# Altium PCB TimeDrive.PcbDoc (part 1 of 4)
Units mil, origin at the board's own origin, x right, y up, seen from the top; angles counter-clockwise.
Board outline 866.1 x 4330 mil, 8 copper layers (L01_SIG, L02_PWR, L03_GND, L04_SIG, L05_SIG, L06_GND, L07_PWR, L08_SIG), stack 31.68 mil thick; 313 components, 297 nets, 1051 pads, 637 vias.
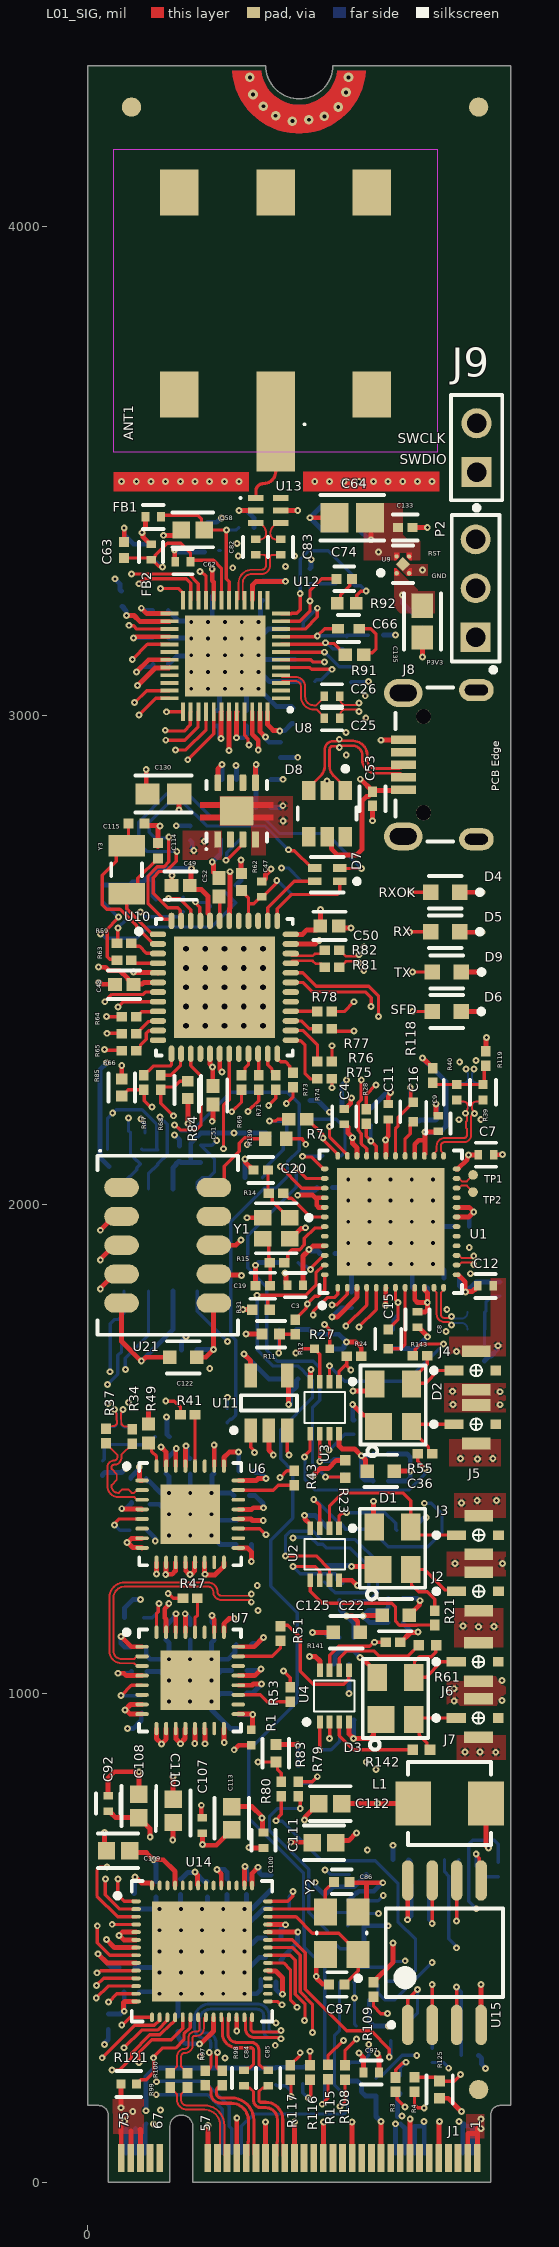
[diagram p0: L01_SIG view]
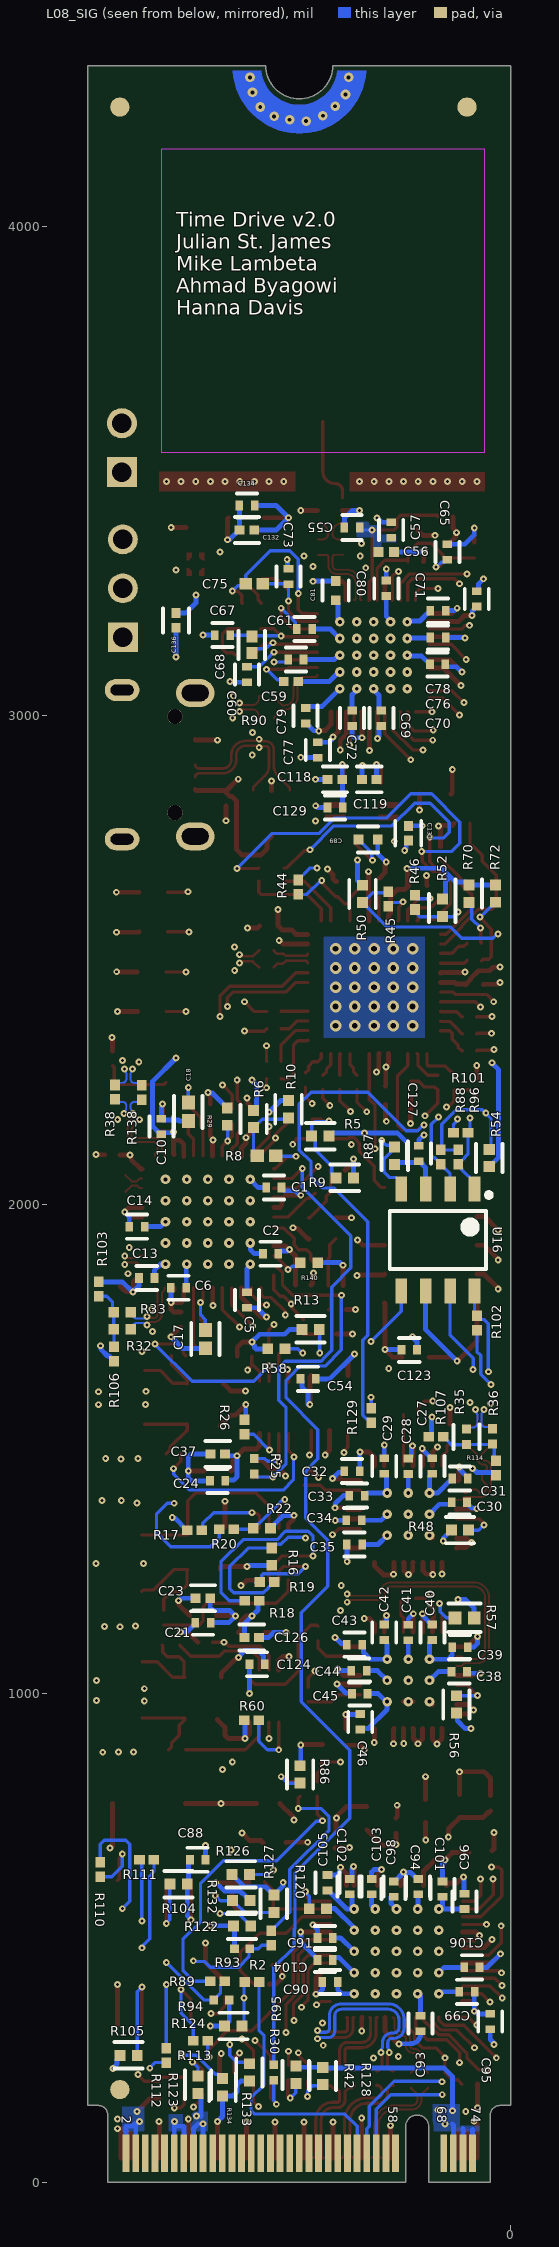
[diagram p1: L08_SIG view, seen from below]
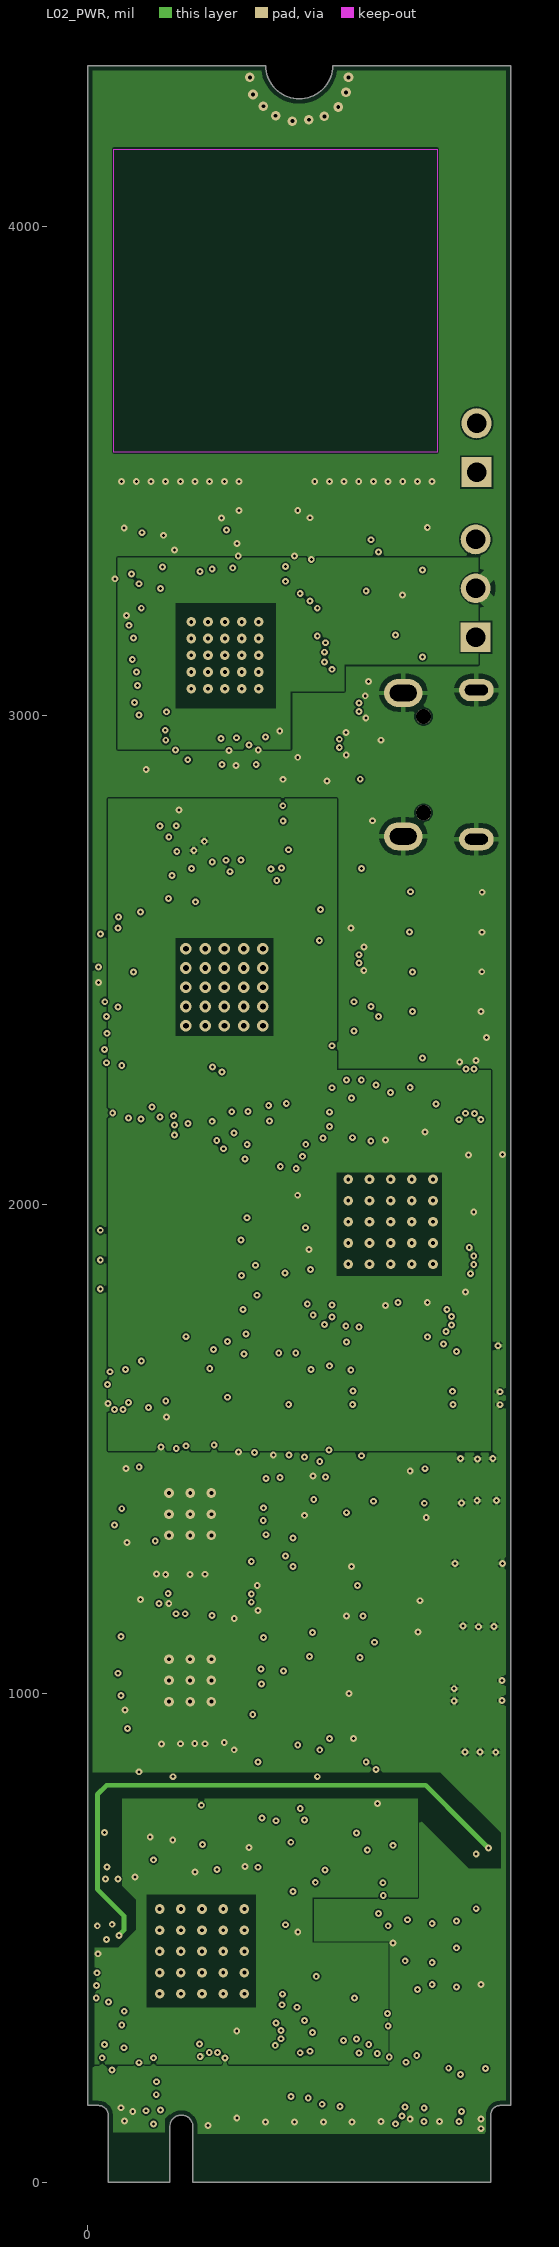
[diagram p2: L02_PWR]
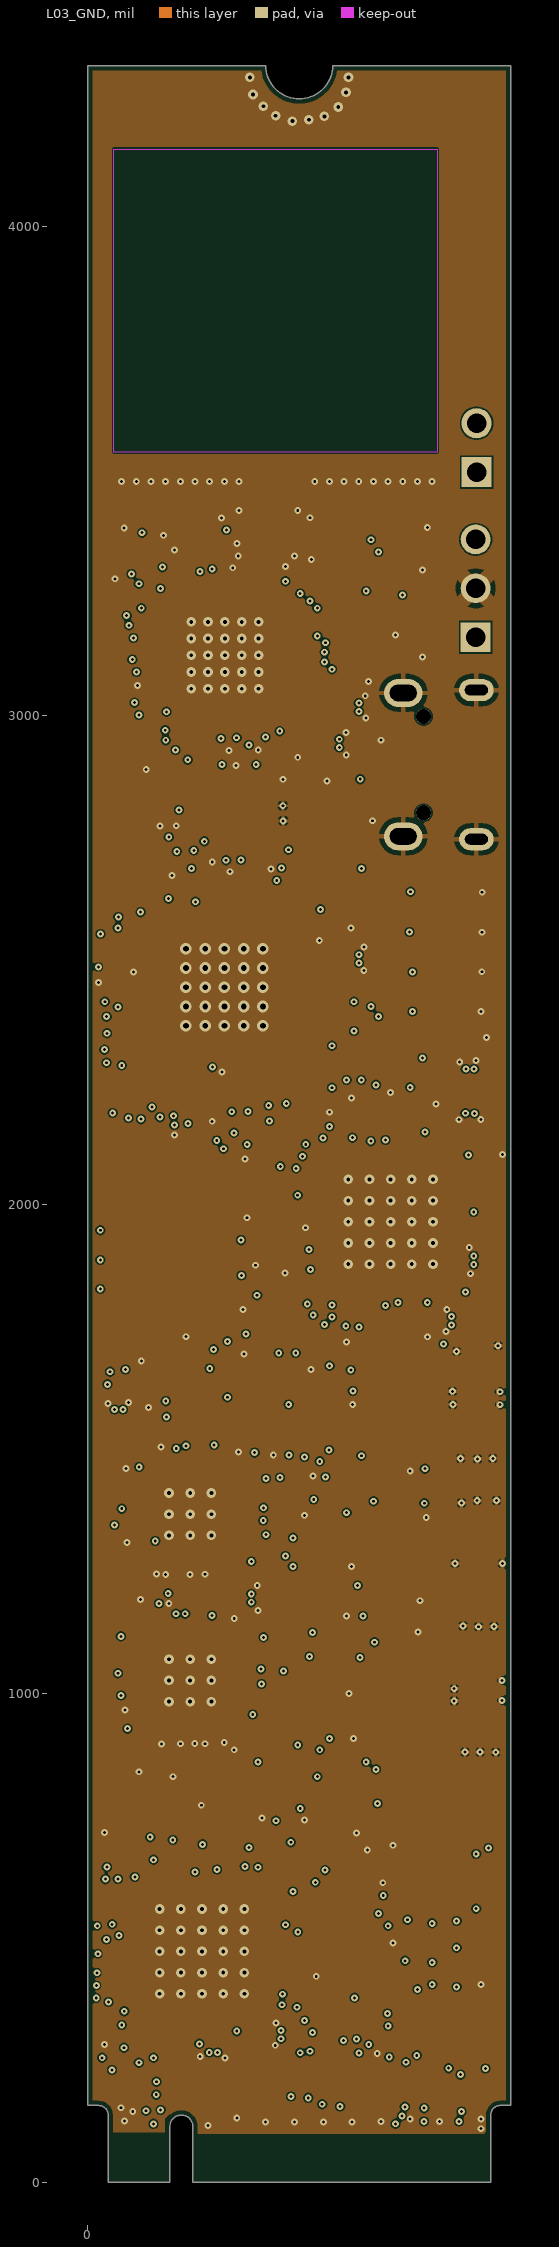
[diagram p3: L03_GND]
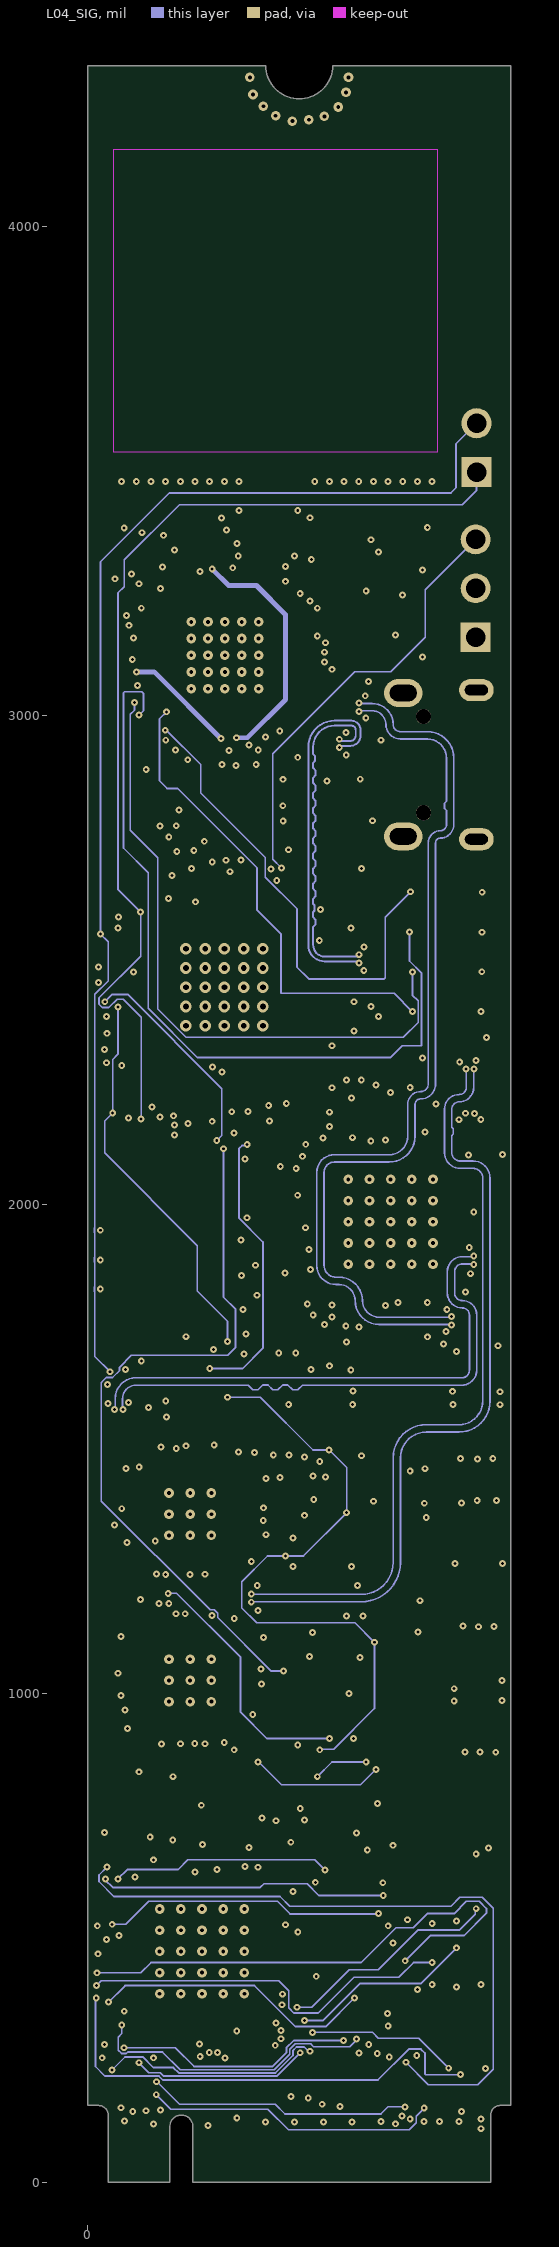
[diagram p4: L04_SIG]
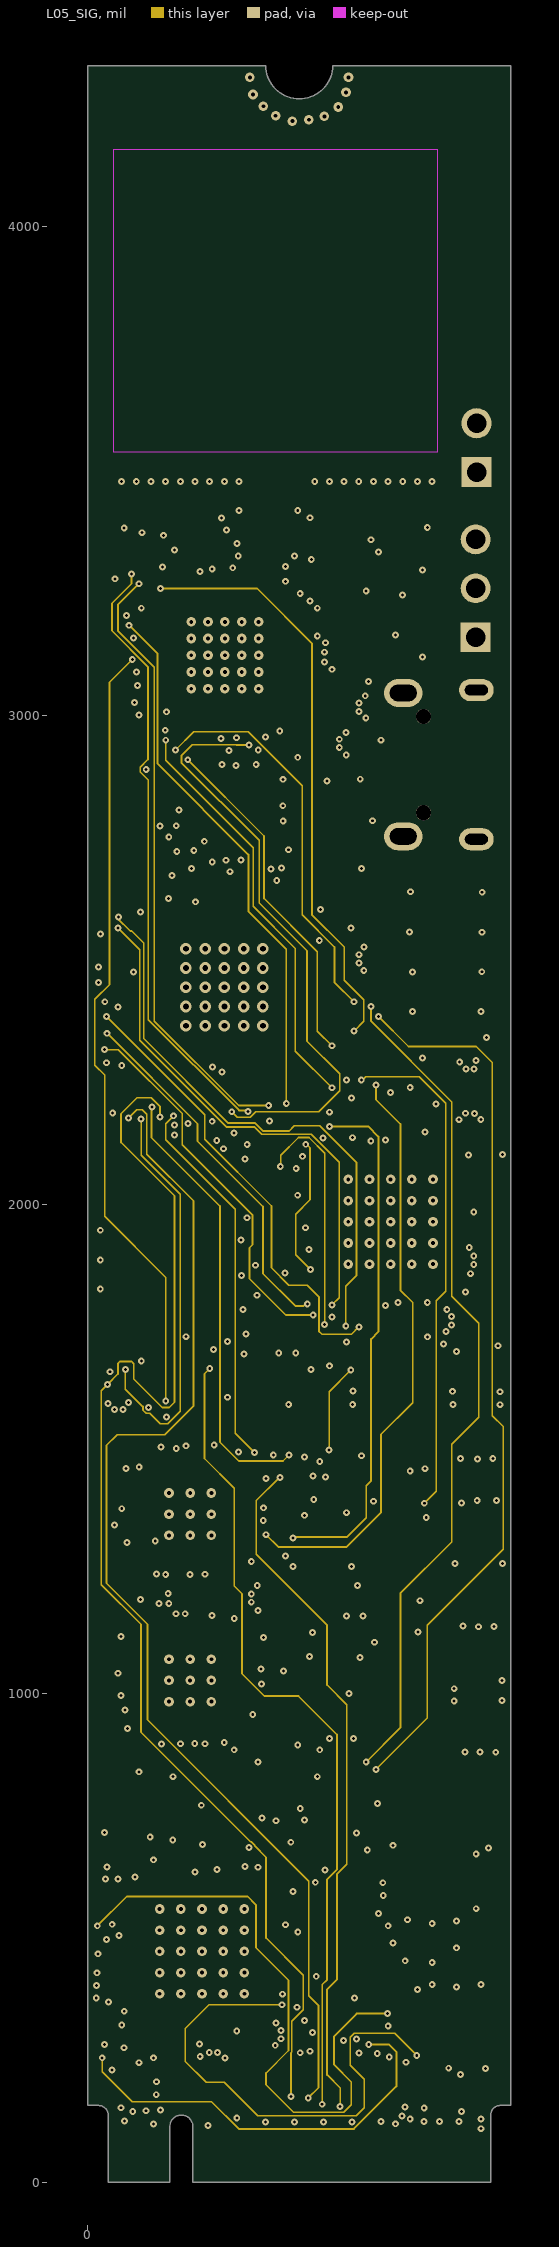
[diagram p5: L05_SIG]
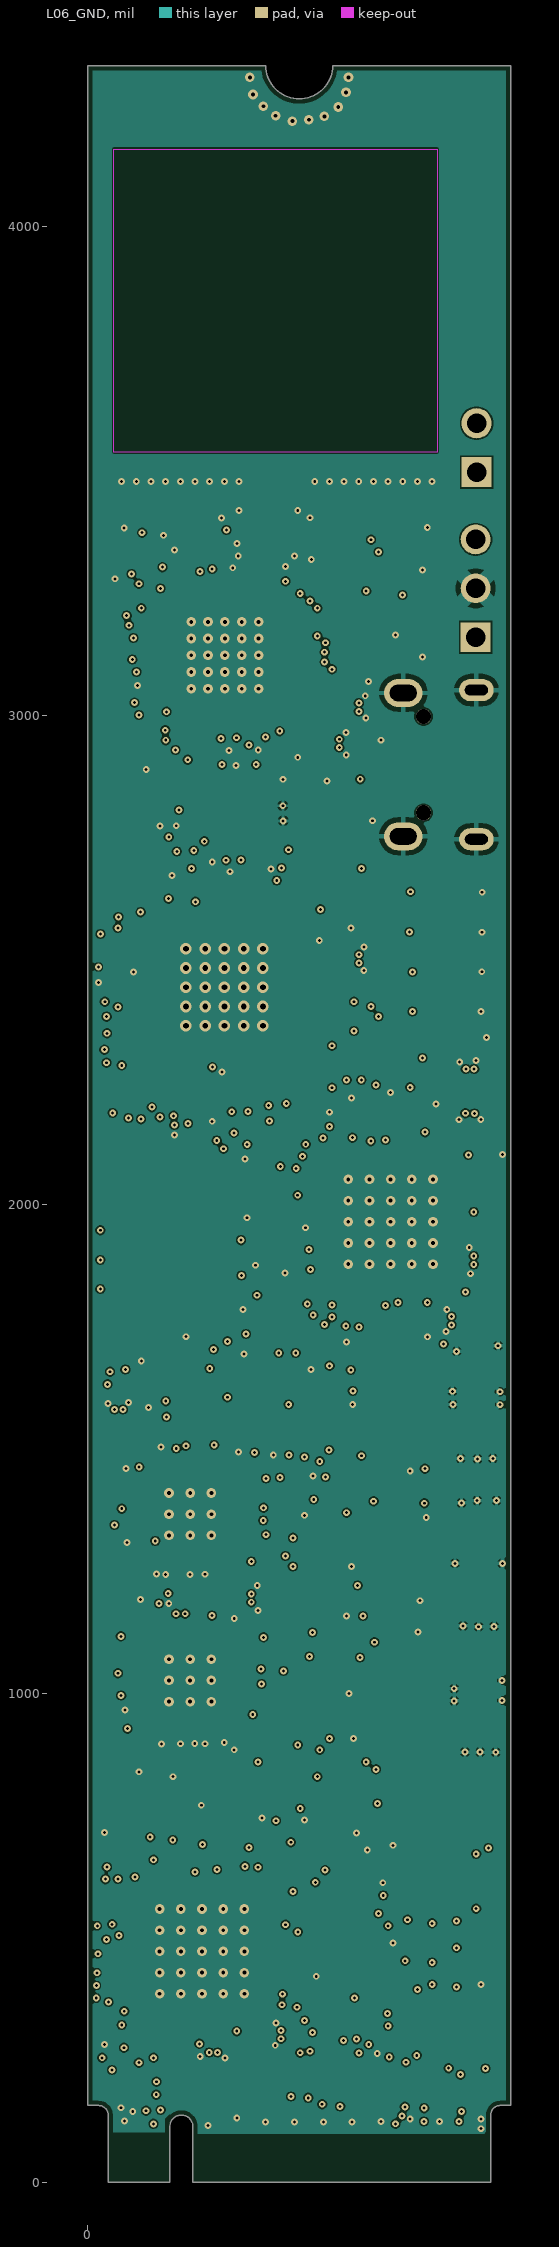
[diagram p6: L06_GND]
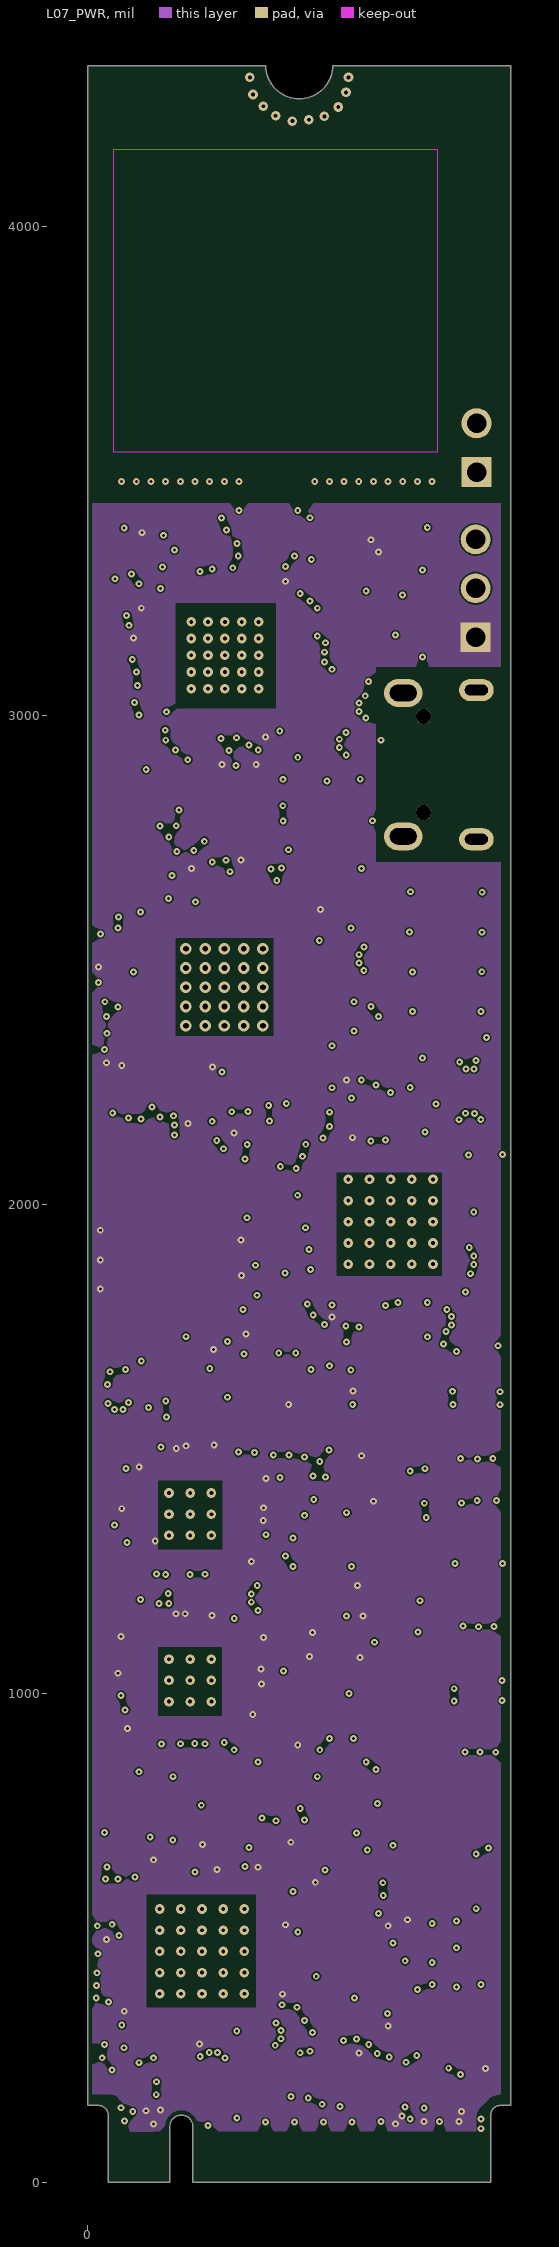
[diagram p7: L07_PWR]
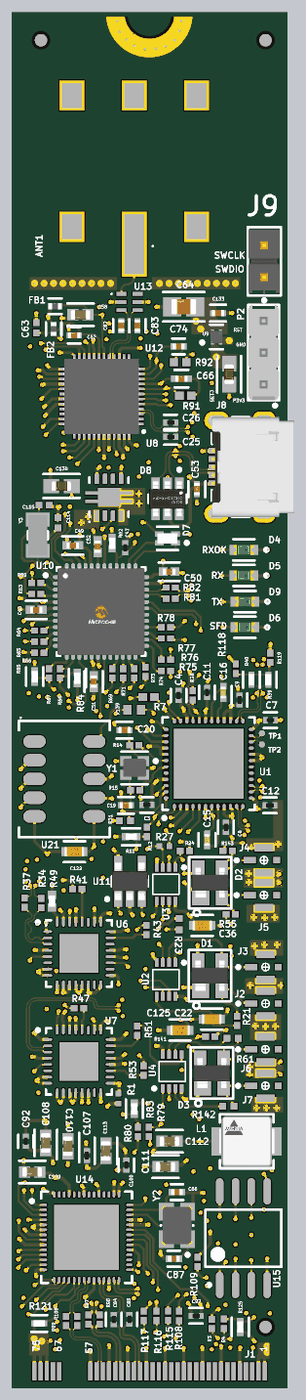
[diagram p11: 3D render of the assembled board from above, using the file's embedded part models]
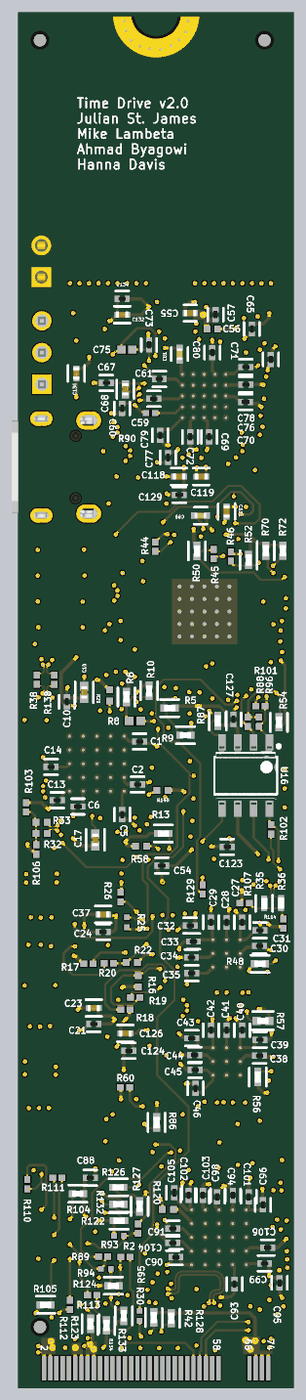
[diagram p12: 3D render of the assembled board from below, using the file's embedded part models]

## Layer stack, top to bottom
Top Solder: solder mask 0.6, Solder Resist, Dk 4.1
L01_SIG: signal copper 1.8
Dielectric 2: prepreg 3.76, Core-001, Dk 3.43
L02_PWR: signal copper 0.6
Dielectric 6: core 4, PP-001, Dk 3.61
L03_GND: signal copper 0.6
Dielectric 7: prepreg 2.48, PP-003, Dk 3.55
L04_SIG: signal copper 0.6
Dielectric 1: core 4, Core-017, Dk 3.61
L05_SIG: signal copper 0.6
Dielectric 8: prepreg 2.48, PP-003, Dk 3.55
L06_GND: signal copper 0.6
Dielectric 9: core 4, PP-001, Dk 3.61
L07_PWR: signal copper 0.6
Dielectric 3: prepreg 3.76, Core-001, Dk 3.43
L08_SIG: signal copper 1.8
Bottom Solder: solder mask 0.6, Solder Resist, Dk 4.1

## Board outline
42.28,0 168.34,0 168.34,114.17 cw(c191.96,114.17) 215.58,114.17 215.54,114.17 215.54,0 824.74,0 824.74,137.8 824.73,138.26 cw(c843.96,138.26) 843.96,157.49 843.5,157.48 866.1,157.48 866.1,4330 501.9,4330 cw(c433,4330.71) 364.11,4330 363.97,4330 0,4330 0,157.48 22.6,157.48 cw(c22.6,137.8) 42.28,137.8

## Design rules (kind name [scope] priority, off if disabled: settings)
AcuteAngle [All] p1: minimum=6.00000000000000E+0001 checktracksonly=FALSE
BoardOutlineClearance [All] p1: gap=10 ignorepadtopadclearanceinfootprint=FALSE
Clearance [All] p1: gap=3 ignorepadtopadclearanceinfootprint=FALSE
DiffPairsRouting 85ohm_differential [InDifferentialPairClass('85ohm')] p1: maxlimit=10 minlimit=4.7 mostfreqgap=6.5 toplayer_maxgap=4.7 toplayer_prefgap=4.7 toplayer_minwidth=6.3 toplayer_maxwidth=6.3 toplayer_prefwidth=6.3 midlayer4_mingap=6.5 midlayer4_maxgap=6.5 midlayer4_minwidth=4.5 midlayer4_maxwidth=4.5 midlayer4_prefwidth=4.5 midlayer5_mingap=6.5 midlayer5_maxgap=6.5 midlayer5_minwidth=4.5 midlayer5_maxwidth=4.5 midlayer5_prefwidth=4.5 bottomlayer_maxgap=4.7 bottomlayer_prefgap=4.7 bottomlayer_minwidth=6.3 bottomlayer_maxwidth=6.3 bottomlayer_prefwidth=6.3 impedanceprofiledriven=TRUE impedanceprofileid={57996DDD-F769-4194-9CA9-414B63F8F6BF} impedanceprofilevalue=85.000000 maxuncoupledlength=200
DiffPairsRouting 90ohm_differential [InDifferentialPairClass('90ohm')] p2: maxlimit=6 minlimit=4.7 mostfreqgap=6 toplayer_maxgap=4.7 toplayer_prefgap=4.7 toplayer_minwidth=5.3 toplayer_maxwidth=5.3 toplayer_prefwidth=5.3 midlayer4_mingap=6 midlayer4_minwidth=4 midlayer4_maxwidth=4 midlayer4_prefwidth=4 midlayer5_mingap=6 midlayer5_minwidth=4 midlayer5_maxwidth=4 midlayer5_prefwidth=4 bottomlayer_maxgap=4.7 bottomlayer_prefgap=4.7 bottomlayer_minwidth=5.3 bottomlayer_maxwidth=5.3 bottomlayer_prefwidth=5.3 impedanceprofiledriven=TRUE impedanceprofileid={096416B8-8681-450C-BFCC-6EF7CAA0F298} impedanceprofilevalue=90.000000 maxuncoupledlength=530
DiffPairsRouting 100ohm_differential [InDifferentialPairClass('All Differential Pairs')] p3: maxlimit=11.5 minlimit=4.5 mostfreqgap=11.5 toplayer_maxgap=4.5 toplayer_prefgap=4.5 toplayer_minwidth=4 toplayer_maxwidth=4 toplayer_prefwidth=4 midlayer4_mingap=11.5 midlayer4_minwidth=3.5 midlayer4_maxwidth=3.5 midlayer4_prefwidth=3.5 midlayer5_mingap=11.5 midlayer5_minwidth=3.5 midlayer5_maxwidth=3.5 midlayer5_prefwidth=3.5 bottomlayer_maxgap=4.5 bottomlayer_prefgap=4.5 bottomlayer_minwidth=4 bottomlayer_maxwidth=4 bottomlayer_prefwidth=4 impedanceprofiledriven=TRUE impedanceprofileid={2B024E49-C2BB-40EB-BAA8-1748799589E4} impedanceprofilevalue=100.000000 maxuncoupledlength=750
HoleSize [All] p1: absolutevalues=TRUE maxlimit=100 minlimit=5.9 maxpercent=80.000 minpercent=20.000
HoleToHoleClearance [All] p1: gap=5.9 allowstackedmicrovias=TRUE
MatchedLengths [InDifferentialPairClass('All Differential Pairs')] p1: tolerance=1 checknetsindiffpair=TRUE checkdiffpairvsdiffpair=FALSE checkxsignals=FALSE checkothers=FALSE
MinimumAnnularRing [All] p1: minimumring=4
MinimumSolderMaskSliver [All] p1: minsoldermaskwidth=3
PlaneClearance [All] p1: clearance=5
PlaneConnect [All] p1: planeconnectstyle=Direct reliefexpansion=20 reliefentries=4 reliefconductorwidth=10 reliefairgap=10
PolygonConnect [All] p1: connectstyle=Direct reliefconductorwidth=10 reliefentries=4 polygonreliefangle="90 Angle" airgapwidth=10
RoutingVias [All] p1: holewidth=5.9 width=14 viastyle="Through Hole" minholewidth=5.9 minwidth=13.9 maxholewidth=50 maxwidth=50
SilkToSilkClearance [All] p1: silktosilkclearance=5
SilkToSolderMaskClearance [IsPad] p1: minsilkscreentomaskgap=4 clearancetoexposedcopper=TRUE
SolderMaskExpansion [All] p1: expansion=4 istentingtop=FALSE
UnRoutedNet [All] p1: checkbadconnections=TRUE
Width Width_PWR [InNet('P3V3') or InNet('P0V95_I225') or InNet('P5V_USB') or InNet('DPLL_VDD') or InNet('DW1000_VDDDIG') or InNet('DW1000_P1V8') or InNet('DW1000_VDDIO') or InNet('NetL1_1')] p1: maxlimit=10 minlimit=10 preferedwidth=10
Width Width_GND [InNet('GND')] p2: maxlimit=14 minlimit=10 preferedwidth=10
Width [All] p3: maxlimit=6.8 minlimit=3.6 preferedwidth=6.3 toplayer_minwidth=6.8 toplayer_prefwidth=6.8 midlayer4_maxwidth=3.6 midlayer4_prefwidth=3.6 midlayer5_maxwidth=3.6 midlayer5_prefwidth=3.6 bottomlayer_minwidth=6.8 bottomlayer_prefwidth=6.8 impedanceprofiledriven=TRUE impedanceprofileid={C811109F-BE65-44E7-822D-5FD33C6EDCF6} impedanceprofilevalue=50.000000 minimp=50.000000 maximp=50.000000 favimp=50.000000
21 further rules are at their usual default settings.

## Classes and differential pairs
differential pair class 100ohm: DPLL_9513_1PPS_0 DPLL_9513_1PPS_1 DPLL_OUT_0A DPLL_OUT_0B DPLL_OUT_1A DPLL_OUT_1B DW1000_38P4MHz_CLK DW1000_RF DW1000_RF_C M2_I225_PCIE_CLK PCIE_CLK_R SAMD_USB_D
differential pair class 90ohm: SAMD_USB_D USB_R
differential pair class 85ohm: I225_M2_PCIE_TX M2_I225_PCIE_RX PCIE_RX_R PCIE_TX_C
differential pair DPLL_OUT_1B: +DPLL_OUT_1B_P -DPLL_OUT_1B_N
differential pair DW1000_RF_C: +DW1000_RF_C_P -DW1000_RF_C_N
differential pair USB_R: +USB_R_P -USB_R_N
differential pair SAMD_USB_D: +SAMD_USB_D_P -SAMD_USB_D_N
differential pair PCIE_TX_C: +PCIE_TX_C_P -PCIE_TX_C_N
differential pair PCIE_RX_R: +PCIE_RX_R_P -PCIE_RX_R_N
differential pair PCIE_CLK_R: +PCIE_CLK_R_P -PCIE_CLK_R_N
differential pair M2_I225_PCIE_RX: +M2_I225_PCIE_RX_P -M2_I225_PCIE_RX_N
differential pair M2_I225_PCIE_CLK: +M2_I225_PCIE_CLK_P -M2_I225_PCIE_CLK_N
differential pair I225_M2_PCIE_TX: +I225_M2_PCIE_TX_P -I225_M2_PCIE_TX_N
differential pair DW1000_RF: +DW1000_RF_P -DW1000_RF_N
differential pair DW1000_38P4MHz_CLK: +DW1000_38P4MHz_CLK_P -DW1000_38P4MHz_CLK_N
differential pair DPLL_OUT_1A: +DPLL_OUT_1A_P -DPLL_OUT_1A_N
differential pair DPLL_OUT_0B: +DPLL_OUT_0B_P -DPLL_OUT_0B_N
differential pair DPLL_OUT_0A: +DPLL_OUT_0A_P -DPLL_OUT_0A_N
differential pair DPLL_9513_1PPS_1: +DPLL_9513_1PPS_1_P -DPLL_9513_1PPS_1_N
differential pair DPLL_9513_1PPS_0: +DPLL_9513_1PPS_0_P -DPLL_9513_1PPS_0_N

## Components (designator, comment, footprint, x,y, rotation, side; value= is the part's Value field where it differs from the comment)
ANT1 "Taoglas_UWB_Antenna" "UWC.20 ANTENNA" 384.8,3863.86 r270 top locked
C1 "GRM155R71C104KA88D" FP-GRM15-MFG 485,2035 r180 bottom value=0.10μF
C2 "GRM155R71C104KA88D" FP-GRM15-MFG 491.59,1899.58 r180 bottom value=0.10μF
C3 "GRM155R71C104KA88D" FP-GRM15-MFG 424.83,1835.32 r0 top value=0.10μF
C4 "GRM155R71C104KA88D" FP-GRM15-MFG 525,2180 r90 top value=0.10μF
C5 "GRM155R71C104KA88D" FP-GRM15-MFG 540,1805 r270 bottom value=0.10μF
C6 "GRM155R71C104KA88D" FP-GRM15-MFG 680,1830 r0 bottom value=0.10μF
C7 "GRM155R71C104KA88D" FP-GRM15-MFG 815.19,2102.18 r0 top value=0.10μF
C8 "GRM155R71C104KA88D" FP-GRM15-MFG 675,1765 r90 top value=0.10μF
C9 "GRM155R71C104KA88D" FP-GRM15-MFG 717.47,2165.91 r90 top value=0.10μF
C10 "GRM155R71C104KA88D" FP-GRM15-MFG 715,2160 r90 bottom value=0.10μF
C11 "GRM155R71C104KA88D" FP-GRM15-MFG 615,2190 r90 top value=0.10μF
C12 "GRM155R71C104KA88D" FP-GRM15-MFG 814.02,1833.86 r180 top value=0.10μF
C13 "GRM155R71C104KA88D" FP-GRM15-MFG 745,1850 r0 bottom value=0.10μF
C14 "GRM155R71C104KA88D" FP-GRM15-MFG 765,1955 r0 bottom value=0.10μF
C15 "CC0402KRX7R9BB392" FP-CC0402-MFG 615,1725 r90 top value="3.9 nF"
C16 "CC0402KRX7R9BB392" FP-CC0402-MFG 666.16,2189.52 r90 top value="3.9 nF"
C17 "GRM155R61A224KE19D" FP-GRM155-0_05-IPC_A 625,1725 r270 bottom
C18 "GRM155R61A224KE19D" FP-GRM155-0_05-IPC_A 660,2190 r270 bottom
C19 "CL05C6R2CB5NNNC" FP-CL468-IPC_C 358.52,1834.06 r180 top
C20 "CL05C6R2CB5NNNC" FP-CL468-IPC_C 354.13,2070.99 r180 top
C21 "GRM155R71C104KA88D" FP-GRM15-MFG 630,1145 r0 bottom value=0.10μF
C22 "10uF_16V_0603" FP-C1608-MFG 630,1160 r0 top value=10uF
C23 "1uF_16V_0402" FP-0402-L_1_0_0_05-W_0_5-IPC_C 630,1195 r0 bottom
C24 "GRM155R71C104KA88D" FP-GRM15-MFG 600,1435 r0 bottom value=0.10μF
C25 "GRM155R71C104KA88D" FP-GRM15-MFG 500,2995 r0 top value=0.10μF
C26 "GRM155R71C104KA88D" FP-GRM15-MFG 500,3040 r0 top value=0.10μF
C27 "0.1uF_16V_0402" FP-GRM15-MFG 160.79,1465.35 r90 bottom value=0.10μF
C28 "0.1uF_16V_0402" FP-GRM15-MFG 210,1465 r90 bottom value=0.10μF
C29 "0.1uF_16V_0402" FP-GRM15-MFG 259.21,1465.35 r90 bottom value=0.10μF
C30 "0.1uF_16V_0402" FP-GRM15-MFG 105.6,1390.98 r180 bottom value=0.10μF
C31 "0.1uF_16V_0402" FP-GRM15-MFG 104.25,1440 r180 bottom value=0.10μF
C32 "0.1uF_16V_0402" FP-GRM15-MFG 325,1455 r0 bottom value=0.10μF
C33 "0.1uF_16V_0402" FP-GRM15-MFG 315,1405 r0 bottom value=0.10μF
C34 "0.1uF_16V_0402" FP-GRM15-MFG 321.09,1354.61 r0 bottom value=0.10μF
C35 "0.1uF_16V_0402" FP-GRM15-MFG 320,1305 r0 bottom value=0.10μF
C36 "10uF_16V_0603" FP-C1608-MFG 600,1455 r0 top value=10uF
C37 "1uF_16V_0402" FP-0402-L_1_0_0_05-W_0_5-IPC_C 600,1490 r0 bottom
C38 "0.1uF_16V_0402" FP-GRM15-MFG 105.75,1045 r180 bottom value=0.10μF
C39 "0.1uF_16V_0402" FP-GRM15-MFG 104.25,1095 r180 bottom value=0.10μF
C40 "0.1uF_16V_0402" FP-GRM15-MFG 160.71,1125.35 r90 bottom value=0.10μF
C41 "0.1uF_16V_0402" FP-GRM15-MFG 210,1125 r90 bottom value=0.10μF
C42 "0.1uF_16V_0402" FP-GRM15-MFG 259.13,1125.35 r90 bottom value=0.10μF
C43 "0.1uF_16V_0402" FP-GRM15-MFG 320,1100 r0 bottom value=0.10μF
C44 "0.1uF_16V_0402" FP-GRM15-MFG 310.75,1046.98 r0 bottom value=0.10μF
C45 "0.1uF_16V_0402" FP-GRM15-MFG 309.25,1000 r0 bottom value=0.10μF
C46 "0.1uF_16V_0402" FP-GRM15-MFG 308.35,942.28 r90 bottom value=0.10μF
C47 "0.1uF_16V_0402" FP-GRM15-MFG 356.49,2645.28 r270 top value=0.10μF
C48 "1uF_16V_0402" FP-0402-L_1_0_0_05-W_0_5-IPC_A 75,2450 r180 top
C49 "1uF_16V_0402" FP-0402-L_1_0_0_05-W_0_5-IPC_A 190.43,2652.78 r180 top
C50 "1uF_16V_0402" FP-0402-L_1_0_0_05-W_0_5-IPC_A 495.07,2570.26 r0 top
C51 "1uF_16V_0402" FP-0402-L_1_0_0_05-W_0_5-IPC_A 256.76,2223.71 r270 top
C52 "1uF_16V_0402" FP-0402-L_1_0_0_05-W_0_5-IPC_A 268.95,2649.07 r90 top
C53 "0.1uF_50V_0402" FP-C1005-050-0_05-IPC_C 582.8,2830.29 r270 top
C54 "0.1uF_16V_0402" FP-GRM15-MFG 414.78,1643.79 r0 bottom value=0.10μF
C55 "330pF_50V_0402" FP-GRM155-0_05-MFG 325,3385 r0 bottom
C56 "12pF_50V_0402" CAPC1005X55X25LL05T05 255,3335 r0 bottom
C57 "0.1uF_16V_0402" FP-GRM15-MFG 245,3380 r90 bottom value=0.10μF
C58 "GRM188R61A226ME15D" FP-GRM188-0_2-IPC_C 215,3380 r180 top
C59 "GRM155R71C104KA88D" FP-GRM15-MFG 440,3115 r0 bottom value=0.10μF
C60 "GRM155R71C104KA88D" FP-GRM15-MFG 540,3084.25 r90 bottom value=0.10μF
C61 "GRM155R71C104KA88D" FP-GRM15-MFG 422.49,3177.47 r0 bottom value=0.10μF
C62 "330pF_50V_0402" FP-GRM155-0_05-MFG 195,3315 r180 top
C63 "12pF_50V_0402" CAPC1005X55X25LL05T05 75,3338.86 r270 top